# Allegro board SG2042_EVB_V2_0.brd (continued)
## Routing (per net, layer and track width the routed paths; a pad name or vN(x,y) marks a point on that pad's centre or on a via; arc(x,y) is an arc through that point) (continued)
DDR0_ECC_DQ6: length 73.1
  TOP w0.173: U1.AY56 v1(144.75,209.05)
  ART14 w0.15: v1(144.75,209.05) 145.09,208.71 146.89,208.71 147.68,207.92 151.76,207.92 160.34,216.49 160.34,217.88 160.49,218.03 161.57,218.03 161.72,218.18 161.72,218.61 161.57,218.76 160.49,218.76 160.34,218.91 160.34,219.34 160.49,219.49 161.57,219.49 161.72,219.64 161.72,220.06 161.57,220.21 160.49,220.21 160.34,220.36 160.34,220.79 160.49,220.94 161.57,220.94 161.72,221.09 161.72,221.52 161.57,221.67 160.49,221.67 160.34,221.82 160.34,222.25 160.49,222.4 161.57,222.4 161.72,222.55 161.72,222.97 161.57,223.12 160.49,223.12 160.34,223.27 160.34,223.7 160.49,223.85 161.57,223.85 161.72,224 161.72,224.43 161.57,224.58 160.49,224.58 160.34,224.73 160.34,225.16 160.49,225.31 161.57,225.31 161.72,225.46 161.72,225.89 161.57,226.04 160.49,226.04 160.34,226.19 160.34,233.26 166.4,239.32 167.13,239.32 arc(167.65,239.22) 168.08,238.93 168.18,238.84 arc(168.58,238.57) 169.05,238.48 169.08,238.48 arc(169.55,238.57) 169.95,238.84 170.08,238.96 arc(170.48,239.23) 170.95,239.32 170.98,239.32 arc(171.45,239.23) 171.85,238.96 171.92,238.89 arc(172.38,238.58) 172.92,238.48 173.7,238.48 arc(174.24,238.58) 174.7,238.89 174.72,238.91 arc(175.18,239.22) 175.72,239.33 J1.54
DDR0_ECC_DQ7: length 72.7
  TOP w0.173: U1.BA56 v1(144.75,208.05)
  ART14 w0.15: v1(144.75,208.05) 146.58,208.05 147.37,207.26 152.03,207.26 162.41,217.63 162.41,227.12 162.26,227.27 161.15,227.27 161,227.42 161,227.84 161.15,227.99 162.26,227.99 162.41,228.14 162.41,228.57 162.26,228.72 161.15,228.72 161,228.87 161,229.3 161.15,229.45 162.26,229.45 162.41,229.6 162.41,230.03 162.26,230.18 161.15,230.18 161,230.33 161,230.76 161.15,230.91 162.26,230.91 162.41,231.06 162.41,231.48 162.26,231.63 161.15,231.63 161,231.78 161,232.21 161.15,232.36 162.26,232.36 162.41,232.51 162.41,233.37 163.53,234.49 163.53,234.7 163.23,235 163.23,235.22 163.53,235.52 163.74,235.52 164.04,235.22 164.25,235.22 164.55,235.52 164.55,235.73 164.26,236.03 164.26,236.24 164.56,236.55 164.77,236.55 165.07,236.25 165.28,236.25 165.58,236.55 165.58,236.76 165.28,237.06 165.28,237.27 165.64,237.62 167.15,237.62 arc(167.65,237.53) 168.07,237.24 168.18,237.14 arc(168.58,236.87) 169.05,236.77 169.08,236.77 arc(169.55,236.87) 169.95,237.14 170.08,237.26 arc(170.48,237.53) 170.95,237.62 170.98,237.62 arc(171.45,237.53) 171.85,237.26 171.92,237.19 arc(172.38,236.88) 172.92,236.77 173.7,236.77 arc(174.24,236.88) 174.7,237.19 174.72,237.21 arc(175.18,237.52) 175.72,237.62 176.5,237.62 arc(177.04,237.73) 177.5,238.04 177.52,238.06 arc(177.98,238.37) 178.52,238.48 J1.199
DDR0_ECC_DQS_N: length 64.2
  TOP w0.127: U1.AW56 v1(144.75,210.05)
  ART14 w0.122: v1(144.75,210.05) 144.29,210.05 144.17,209.93 144.17,209.78 144.29,209.66 147.19,209.66 147.68,209.16 148.13,209.16 148.15,209.19 148.18,209.19
  ART14 w0.135: 148.18,209.19 151.23,209.19 159.07,217.02 159.07,233.9 166.32,241.15 167.18,241.15 arc(167.7,241.04) 168.14,240.75 168.23,240.66 arc(168.59,240.42) 169.01,240.33 169.11,240.33 arc(169.54,240.42) 169.89,240.66 169.97,240.74 arc(170.43,241.04) 170.96,241.15 170.98,241.15 arc(171.53,241.04) 172,240.73 172.07,240.65 arc(172.45,240.4) 172.9,240.31 173.68,240.31 arc(174.13,240.4) 174.51,240.65 174.59,240.73 arc(175.05,241.04) 175.6,241.15 176.57,241.15 arc(177.12,241.04) 177.58,240.73 177.67,240.64 arc(178.04,240.4) 178.47,240.31 178.5,240.31 arc(178.93,240.4) 179.3,240.64 179.35,240.69 arc(179.86,241.03) 180.45,241.15 181,241.15 arc(181.17,241.14) 181.34,241.12 J1.196
DDR0_ECC_DQS_P: length 64.2
  TOP w0.127: U1.AW55 v1(143.75,210.05)
  ART14 w0.122: v1(143.75,210.05) 143.96,209.84 143.96,209.69 144.2,209.44 147.1,209.44 147.59,208.95 148.13,208.95 148.15,208.92 148.18,208.92
  ART14 w0.135: J1.197 181.05,240.46 arc(181.14,240.58) 181.13,240.73 181.09,240.8 arc(181.02,240.86) 180.92,240.89 180.45,240.89 arc(179.96,240.79) 179.54,240.51 179.48,240.45 arc(179.03,240.15) 178.5,240.05 178.47,240.05 arc(177.94,240.15) 177.49,240.45 177.4,240.54 arc(177.02,240.8) 176.57,240.89 175.6,240.89 arc(175.15,240.8) 174.77,240.54 174.7,240.47 arc(174.23,240.16) 173.68,240.05 172.9,240.05 arc(172.35,240.16) 171.89,240.47 171.81,240.54 arc(171.43,240.8) 170.98,240.89 170.96,240.89 arc(170.53,240.8) 170.16,240.55 170.08,240.47 arc(169.64,240.18) 169.11,240.07 169.01,240.07 arc(168.49,240.18) 168.05,240.47 167.95,240.56 arc(167.6,240.8) 167.18,240.89 166.43,240.89 159.33,233.79 159.33,217.13 159.33,217.13 159.33,216.91 151.34,208.92 148.18,208.92
DDR0_EVENT_N: length 196.8
  TOP w0.102: v1(183.92,213) R1.1 183.43,213.61 182.79,212.97 181.74,212.97 180.89,213.83 J1.78 ; R2386.2 v1(69.44,157.86)
  BOTTOM w0.102: v1(183.92,213) 184.1,212.83 184.1,156.57 183.85,156.32 183.85,155.79 182.97,154.91 155.9,154.91 133.68,177.14 133.51,177.14 104.93,177.14 86.44,158.65 70.23,158.65 v1(69.44,157.86)
DDR0_EVENT_N_L: length 1.7
  TOP w0.102: R597.2 69.54,147.39 U2010.1
DDR0_MA0: length 51.3
  TOP w0.173: U1.BD52 v1(140.75,205.05)
  ART07 w0.135: J1.79 172.93,212.98 arc(172.38,212.87) 171.92,212.56 171.85,212.49 arc(171.45,212.22) 170.98,212.13 170.95,212.13 arc(170.48,212.22) 170.08,212.49 169.95,212.61 arc(169.55,212.88) 169.08,212.97 169.05,212.97 arc(168.58,212.88) 168.18,212.61 168.1,212.54 arc(167.64,212.23) 167.1,212.13 166.42,212.13 165.99,211.69 165.79,211.69 165.23,212.26 165.04,212.26 164.74,211.96 164.74,211.77 165.31,211.2 165.31,211.01 165.01,210.72 164.82,210.72 164.26,211.29 164.07,211.29 163.77,210.99 163.77,210.8 164.34,210.23 164.34,210.04 164.04,209.75 163.85,209.75 163.29,210.32 163.1,210.32 162.8,210.02 162.8,209.83 163.37,209.26 163.37,209.07 163.07,208.78 162.88,208.78 162.32,209.35 162.13,209.35 161.83,209.05 161.83,208.86 162.4,208.29 162.4,208.1 162.1,207.81 161.91,207.81 161.35,208.37 161.16,208.37 160.86,208.08 160.86,207.89 161.43,207.32 161.43,207.13 161.13,206.84 160.94,206.84 160.38,207.4 160.19,207.4 159.89,207.11 159.89,206.92 160.46,206.35 160.46,206.16 159.85,205.55 141.25,205.55 v1(140.75,205.05)
DDR0_MA1: length 52.3
  TOP w0.173: U1.BC51 v1(139.75,206.05)
  ART07 w0.135: v1(139.75,206.05) 140.25,206.55 152.35,206.55 162.85,217.05 163.04,217.05 163.59,216.51 163.78,216.51 164.07,216.8 164.07,216.99 163.52,217.54 163.52,217.73 163.82,218.02 164.01,218.02 164.56,217.48 164.75,217.48 165.04,217.77 165.04,217.96 164.49,218.51 164.49,218.7 164.79,218.99 164.98,218.99 165.53,218.45 165.72,218.45 166.01,218.74 166.01,218.93 165.47,219.48 165.47,219.67 166.42,220.62 167.1,220.62 arc(167.64,220.73) 168.1,221.04 168.18,221.11 arc(168.58,221.38) 169.05,221.48 169.08,221.48 arc(169.55,221.38) 169.95,221.11 170.08,220.99 arc(170.48,220.72) 170.95,220.62 170.98,220.62 arc(171.45,220.72) 171.85,220.99 172.1,221.23 arc(172.36,221.41) 172.68,221.48 172.71,221.48 arc(173.03,221.54) 173.3,221.72 174.82,223.24 arc(175.69,223.82) 176.72,224.02 178.31,224.02 J1.72
DDR0_MA2: length 55.9
  TOP w0.173: U1.BE52 v1(140.75,204.05)
  ART14 w0.15: J1.216 180.42,224.03 arc(179.88,224.13) 179.42,224.44 179.35,224.51 arc(178.95,224.78) 178.48,224.88 178.45,224.88 arc(177.98,224.78) 177.58,224.51 177.5,224.44 arc(177.04,224.13) 176.5,224.02 175.71,224.02 arc(175.18,223.92) 174.73,223.62 174.71,223.6 arc(174.26,223.3) 173.73,223.19 172.9,223.19 arc(172.37,223.3) 171.92,223.6 171.85,223.66 arc(171.45,223.93) 170.98,224.02 170.95,224.02 arc(170.48,223.93) 170.08,223.66 169.95,223.54 arc(169.55,223.27) 169.08,223.18 169.05,223.18 arc(168.58,223.27) 168.18,223.54 168.1,223.61 arc(167.64,223.92) 167.1,224.02 166.39,224.02 165.38,223.01 165.38,216.4 153.27,204.29 145.39,204.29 145.13,204.55 141.25,204.55 v1(140.75,204.05)
DDR0_MA3: length 52.1
  TOP w0.173: U1.BD51 v1(139.75,205.05)
  ART14 w0.15: J1.71 172.92,224.88 arc(172.38,224.98) 171.92,225.29 171.85,225.36 arc(171.45,225.63) 170.98,225.72 170.95,225.72 arc(170.48,225.63) 170.08,225.36 169.95,225.24 arc(169.55,224.97) 169.08,224.88 169.05,224.88 arc(168.58,224.97) 168.18,225.24 168.1,225.31 arc(167.64,225.62) 167.1,225.72 166.39,225.72 164.88,224.22 164.88,216.61 153.06,204.78 145.71,204.78 144.94,205.55 140.25,205.55 v1(139.75,205.05)
DDR0_MA4: length 55
  TOP w0.173: U1.BA51 v1(139.75,208.05)
  ART05 w0.135: J1.214 180.42,225.73 arc(179.88,225.62) 179.42,225.31 179.35,225.24 arc(178.95,224.97) 178.48,224.88 178.45,224.88 arc(177.98,224.97) 177.57,225.24 177.47,225.35 arc(177.05,225.63) 176.55,225.72 176.52,225.72 arc(176.03,225.63) 175.61,225.35 173.79,223.53 arc(173.4,223.27) 172.94,223.18 172.93,223.18 arc(172.38,223.07) 171.92,222.76 171.85,222.69 arc(171.45,222.42) 170.98,222.32 170.95,222.32 arc(170.48,222.42) 170.08,222.69 169.95,222.81 arc(169.55,223.08) 169.08,223.18 169.05,223.18 arc(168.58,223.08) 168.18,222.81 168.1,222.74 arc(167.64,222.43) 167.1,222.32 166.42,222.32 165.48,221.38 165.48,221.19 165.81,220.86 165.81,220.67 165.51,220.38 165.32,220.38 164.99,220.71 164.8,220.71 164.51,220.41 164.51,220.22 164.84,219.89 164.84,219.7 164.54,219.41 164.35,219.41 164.02,219.74 163.83,219.74 163.54,219.44 163.54,219.25 163.87,218.92 163.87,218.73 163.57,218.44 163.38,218.44 163.05,218.77 162.86,218.77 151.64,207.55 140.25,207.55 v1(139.75,208.05)
DDR0_MA5: length 56.2
  TOP w0.173: U1.AY50 v1(138.75,209.05)
  ART05 w0.135: v1(138.75,209.05) 139.25,208.55 150.94,208.55 161.11,218.71 161.3,218.71 161.59,218.42 161.78,218.42 162.07,218.72 162.07,218.91 161.78,219.2 161.78,219.39 162.08,219.68 162.27,219.68 162.56,219.39 162.75,219.39 163.04,219.69 163.04,219.88 162.75,220.17 162.75,220.36 163.05,220.65 163.24,220.65 163.53,220.36 163.72,220.36 164.01,220.66 164.01,220.85 163.72,221.14 163.72,221.33 164.02,221.62 164.21,221.62 164.5,221.33 164.69,221.33 164.98,221.63 164.98,221.82 164.69,222.11 164.69,222.3 164.99,222.59 165.18,222.59 165.47,222.3 165.66,222.3 165.95,222.6 165.95,222.79 165.66,223.08 165.66,223.27 166.42,224.02 167.1,224.02 arc(167.64,224.13) 168.1,224.44 168.18,224.51 arc(168.58,224.78) 169.05,224.88 169.08,224.88 arc(169.55,224.78) 169.95,224.51 170.08,224.39 arc(170.48,224.12) 170.95,224.02 170.98,224.02 arc(171.45,224.12) 171.85,224.39 171.96,224.5 arc(172.38,224.78) 172.87,224.88 172.9,224.88 arc(173.4,224.97) 173.82,225.25 175.61,227.05 arc(176.03,227.33) 176.52,227.42 176.55,227.42 arc(177.05,227.33) 177.47,227.05 177.52,226.99 arc(177.98,226.68) 178.52,226.58 J1.213
DDR0_MA6: length 51.1
  TOP w0.173: v1(145.75,206.05) 145.25,206.55 U1.BC56
  BOTTOM w0.173: J1.69 172.92,226.58 arc(172.38,226.68) 171.93,226.99 171.85,227.07 arc(171.45,227.33) 170.98,227.42 170.95,227.42 arc(170.48,227.33) 170.08,227.07 169.95,226.93 arc(169.55,226.67) 169.08,226.58 169.05,226.58 arc(168.58,226.67) 168.18,226.93 168.1,227.01 arc(167.64,227.32) 167.11,227.42 166.39,227.42 164.81,225.84 164.81,225.05 164.98,224.88 165.54,224.88 165.71,224.71 165.71,224.28 165.54,224.1 164.98,224.1 164.81,223.93 164.81,223.5 164.98,223.33 165.54,223.33 165.71,223.15 165.71,222.72 165.54,222.55 164.98,222.55 164.81,222.38 164.81,216.45 153.74,205.39 146.41,205.39 v1(145.75,206.05)
DDR0_MA7: length 54.9
  TOP w0.173: U1.AY51 v1(139.75,209.05)
  ART07 w0.135: v1(139.75,209.05) 140.25,208.55 150.08,208.55 161.82,220.3 161.82,221.13 163.3,222.61 163.49,222.61 163.94,222.17 164.13,222.17 164.42,222.46 164.42,222.65 163.98,223.1 163.98,223.29 164.27,223.58 164.46,223.58 164.91,223.14 165.1,223.14 165.39,223.43 165.39,223.62 164.95,224.07 164.95,224.26 165.24,224.55 165.43,224.55 165.88,224.11 166.07,224.11 166.36,224.4 166.36,224.59 165.92,225.04 165.92,225.23 166.42,225.72 167.1,225.72 arc(167.64,225.83) 168.1,226.14 168.18,226.21 arc(168.58,226.48) 169.05,226.58 169.08,226.58 arc(169.55,226.48) 169.95,226.21 170.08,226.09 arc(170.48,225.82) 170.95,225.72 170.98,225.72 arc(171.45,225.82) 171.85,226.09 171.92,226.16 arc(172.38,226.47) 172.93,226.58 173.7,226.58 arc(174.24,226.68) 174.7,226.99 174.72,227.01 arc(175.18,227.32) 175.73,227.42 176.5,227.42 arc(177.04,227.53) 177.5,227.84 177.52,227.86 arc(177.98,228.17) 178.52,228.28 J1.211
DDR0_MA8: length 57.1
  TOP w0.173: U1.BC50 v1(138.75,206.05)
  BOTTOM w0.173: J1.68 175.72,227.42 arc(175.18,227.53) 174.73,227.84 174.7,227.86 arc(174.24,228.17) 173.7,228.27 172.92,228.27 arc(172.38,228.38) 171.93,228.69 171.85,228.77 arc(171.45,229.03) 170.98,229.13 170.95,229.13 arc(170.48,229.03) 170.08,228.77 169.95,228.63 arc(169.55,228.37) 169.08,228.27 169.05,228.27 arc(168.58,228.37) 168.18,228.63 168.1,228.71 arc(167.64,229.02) 167.1,229.13 166.39,229.13 164.12,226.85 164.12,216.74 153.46,206.08 146.79,206.08 146.32,206.55 139.25,206.55 v1(138.75,206.05)
DDR0_MA9: length 56.7
  TOP w0.173: U1.AW50 v1(138.75,210.05)
  ART05 w0.135: v1(138.75,210.05) 139.25,209.55 149.38,209.55 160.63,220.8 160.63,221.64 162.25,223.26 162.44,223.26 163.01,222.69 163.2,222.69 163.49,222.98 163.49,223.17 162.92,223.74 162.92,223.93 163.22,224.23 163.41,224.23 163.98,223.66 164.17,223.66 164.46,223.95 164.46,224.14 163.89,224.71 163.89,224.9 164.19,225.2 164.38,225.2 164.95,224.63 165.14,224.63 165.43,224.92 165.43,225.11 164.86,225.68 164.86,225.87 165.16,226.17 165.35,226.17 165.92,225.6 166.11,225.6 166.4,225.89 166.4,226.08 165.83,226.65 165.83,226.84 166.41,227.42 167.1,227.42 arc(167.64,227.53) 168.1,227.84 168.18,227.91 arc(168.58,228.18) 169.05,228.27 169.08,228.27 arc(169.55,228.18) 169.95,227.91 170.08,227.79 arc(170.48,227.52) 170.95,227.42 170.98,227.42 arc(171.45,227.52) 171.85,227.79 171.92,227.86 arc(172.38,228.17) 172.93,228.27 173.7,228.27 arc(174.24,228.38) 174.7,228.69 174.72,228.71 arc(175.18,229.02) 175.73,229.13 J1.66
DDR0_MA10: length 52.7
  TOP w0.173: U1.BE50 v1(138.75,204.05)
  ART05 w0.135: J1.225 178.52,211.28 arc(177.98,211.17) 177.52,210.86 177.5,210.84 arc(177.04,210.53) 176.5,210.43 175.73,210.43 arc(175.18,210.53) 174.72,210.84 174.7,210.86 arc(174.24,211.17) 173.7,211.27 172.93,211.27 arc(172.38,211.17) 171.92,210.86 171.85,210.79 arc(171.45,210.52) 170.98,210.43 170.95,210.43 arc(170.48,210.52) 170.08,210.79 169.95,210.91 arc(169.55,211.18) 169.08,211.27 169.05,211.27 arc(168.58,211.18) 168.18,210.91 168.1,210.84 arc(167.64,210.53) 167.1,210.43 166.41,210.43 165.39,209.41 165.39,209.22 166.05,208.56 166.05,208.37 165.76,208.07 165.56,208.07 164.9,208.73 164.71,208.73 164.42,208.44 164.42,208.25 165.08,207.59 165.08,207.4 164.78,207.1 164.59,207.1 163.93,207.76 163.74,207.76 163.45,207.47 163.45,207.28 164.11,206.62 164.11,206.43 163.81,206.13 163.62,206.13 162.96,206.79 162.77,206.79 160.42,204.44 145.11,204.44 145,204.55 139.25,204.55 v1(138.75,204.05)
DDR0_MA11: length 55
  TOP w0.173: U1.AW52 v1(140.75,210.05)
  ART07 w0.135: v1(140.75,210.05) 141.25,209.55 149.96,209.55 160.91,220.5 160.91,223.62 165.27,227.98 165.46,227.98 165.85,227.59 166.04,227.59 166.34,227.88 166.34,228.07 165.95,228.47 165.95,228.66 166.41,229.13 167.1,229.13 arc(167.64,229.23) 168.1,229.54 168.18,229.61 arc(168.58,229.88) 169.05,229.97 169.08,229.97 arc(169.55,229.88) 169.95,229.61 170.08,229.49 arc(170.48,229.22) 170.95,229.13 170.98,229.13 arc(171.45,229.22) 171.85,229.49 171.92,229.56 arc(172.38,229.87) 172.93,229.97 173.7,229.97 arc(174.24,229.87) 174.7,229.56 174.72,229.54 arc(175.18,229.23) 175.73,229.13 176.5,229.13 arc(177.04,229.23) 177.5,229.54 177.57,229.61 arc(177.98,229.88) 178.45,229.97 178.48,229.97 arc(178.95,229.88) 179.35,229.61 179.42,229.54 arc(179.88,229.23) 180.42,229.13 J1.210
DDR0_MA12: length 57.5
  TOP w0.173: U1.BB50 v1(138.75,207.05)
  BOTTOM w0.173: v1(138.75,207.05) 139.25,207.55 146.37,207.55 147.15,206.77 153.17,206.77 163.43,217.03 163.43,227.86 164.98,229.41 164.98,229.66 164.64,230 164.64,230.24 164.94,230.55 165.18,230.55 165.52,230.21 165.77,230.21 166.39,230.83 167.1,230.83 arc(167.64,230.72) 168.1,230.41 168.18,230.33 arc(168.58,230.07) 169.05,229.97 169.08,229.97 arc(169.55,230.07) 169.95,230.33 170.08,230.47 arc(170.48,230.73) 170.95,230.83 170.98,230.83 arc(171.45,230.73) 171.85,230.47 171.93,230.39 arc(172.38,230.08) 172.92,229.98 J1.65
DDR0_MA13: length 51.3
  TOP w0.173: U1.BG51 v1(139.75,202.05)
  ART05 w0.135: J1.232 180.42,205.33 arc(179.88,205.43) 179.42,205.74 179.35,205.81 arc(178.95,206.08) 178.48,206.18 178.45,206.18 arc(177.98,206.08) 177.57,205.81 177.5,205.74 arc(177.04,205.43) 176.5,205.32 175.73,205.32 arc(175.18,205.43) 174.72,205.74 174.7,205.76 arc(174.24,206.07) 173.7,206.18 172.93,206.18 arc(172.38,206.07) 171.92,205.76 171.85,205.69 arc(171.45,205.42) 170.98,205.32 170.95,205.32 arc(170.48,205.42) 170.08,205.69 169.95,205.81 arc(169.55,206.08) 169.08,206.18 169.05,206.18 arc(168.58,206.08) 168.18,205.81 168.09,205.73 arc(167.65,205.43) 167.12,205.32 166.41,205.32 165.82,204.73 165.63,204.73 165.17,205.19 164.98,205.19 164.69,204.9 164.69,204.7 165.14,204.25 165.14,204.06 164.64,203.55 163.93,203.55 163.79,203.68 163.79,204.21 163.66,204.34 163.24,204.34 163.11,204.21 163.11,203.68 162.97,203.55 162.56,203.55 162.42,203.68 162.42,204.21 162.29,204.34 161.87,204.34 161.74,204.21 161.74,203.68 161.6,203.55 139.54,203.55 139.25,203.26 U1.BG51 v1(139.75,202.05)
DDR0_MA14: length 46.1
  TOP w0.173: U1.BE56 v1(144.75,204.05)
  ART07 w0.135: J1.228 180.42,208.73 arc(179.88,208.83) 179.42,209.14 179.35,209.21 arc(178.95,209.48) 178.48,209.57 178.45,209.57 arc(177.98,209.48) 177.57,209.21 177.5,209.14 arc(177.04,208.83) 176.5,208.73 175.73,208.73 arc(175.18,208.83) 174.72,209.14 174.7,209.16 arc(174.24,209.47) 173.7,209.57 172.93,209.57 arc(172.38,209.47) 171.92,209.16 171.85,209.09 arc(171.45,208.82) 170.98,208.73 170.95,208.73 arc(170.48,208.82) 170.08,209.09 169.95,209.21 arc(169.55,209.48) 169.08,209.57 169.05,209.57 arc(168.58,209.48) 168.18,209.21 168.1,209.14 arc(167.64,208.83) 167.1,208.73 166.42,208.73 165.59,207.89 165.4,207.89 164.92,208.37 164.73,208.37 164.44,208.07 164.44,207.88 164.91,207.41 164.91,207.22 164.62,206.92 164.43,206.92 163.95,207.4 163.76,207.4 163.47,207.1 163.47,206.91 163.94,206.44 163.94,206.25 163.65,205.95 163.46,205.95 162.98,206.43 162.79,206.43 162.49,206.13 162.49,205.94 162.97,205.47 162.97,205.28 161.75,204.05 v1(144.75,204.05)
DDR0_MA15: length 43
  TOP w0.173: U1.BF54 v1(142.75,203.05)
  ART14 w0.15: v1(142.75,203.05) 143.25,202.55 145.07,202.55 145.81,203.3 161.73,203.3 162.23,203.8 162.23,204.02 161.88,204.37 161.88,204.58 162.18,204.88 162.4,204.88 162.75,204.53 162.96,204.53 163.26,204.83 163.26,205.04 162.91,205.4 162.91,205.61 163.21,205.91 163.43,205.91 163.78,205.56 163.99,205.56 164.29,205.86 164.29,206.07 163.94,206.43 163.94,206.64 164.24,206.94 164.45,206.94 164.81,206.59 165.02,206.59 165.46,207.02 167.1,207.02 arc(167.64,207.13) 168.1,207.44 168.18,207.51 arc(168.58,207.78) 169.05,207.87 169.08,207.87 arc(169.55,207.78) 169.95,207.51 170.08,207.39 arc(170.48,207.12) 170.95,207.02 170.98,207.02 arc(171.45,207.12) 171.85,207.39 171.92,207.46 arc(172.38,207.77) 172.92,207.87 173.7,207.87 arc(174.24,207.77) 174.7,207.46 174.72,207.44 arc(175.18,207.13) 175.72,207.02 J1.86
DDR0_MA16: length 44.2
  TOP w0.173: U1.BE53 v1(141.75,204.05)
  ART14 w0.15: v1(141.75,204.05) 142.25,203.55 145.03,203.55 145.27,203.79 159.75,203.79 164.12,208.16 164.12,208.38 163.68,208.81 163.68,209.02 163.99,209.33 164.2,209.33 164.63,208.89 164.85,208.89 165.15,209.19 165.15,209.41 164.71,209.84 164.71,210.05 165.02,210.36 165.23,210.36 165.66,209.92 165.88,209.92 166.38,210.43 167.1,210.43 arc(167.64,210.53) 168.1,210.84 168.18,210.91 arc(168.58,211.18) 169.05,211.27 169.08,211.27 arc(169.55,211.18) 169.95,210.91 170.08,210.79 arc(170.48,210.52) 170.95,210.43 170.98,210.43 arc(171.45,210.52) 171.85,210.79 171.92,210.86 arc(172.38,211.17) 172.92,211.27 173.7,211.27 arc(174.24,211.17) 174.7,210.86 174.72,210.84 arc(175.18,210.53) 175.72,210.43 J1.82
DDR0_MA17: length 54.4
  TOP w0.173: U1.BF50 v1(138.75,203.05)
  BOTTOM w0.173: v1(138.75,203.05) 139.25,202.55 139.25,201.7 139.4,201.55 145.24,201.55 145.54,201.24 161.79,201.24 161.96,201.42 161.96,202.47 162.13,202.64 162.57,202.64 162.74,202.47 162.74,201.42 162.91,201.24 163.34,201.24 163.52,201.42 163.52,202.76 163.69,202.93 164.12,202.93 164.29,202.76 164.29,201.42 164.47,201.24 164.9,201.24 165.07,201.42 165.07,202.76 165.24,202.93 165.68,202.93 165.85,202.76 165.85,202.1 166.02,201.92 167.1,201.92 arc(167.64,202.03) 168.1,202.34 168.18,202.42 arc(168.58,202.68) 169.05,202.78 169.08,202.78 arc(169.55,202.68) 169.95,202.42 170.08,202.28 arc(170.48,202.02) 170.95,201.92 170.98,201.92 arc(171.45,202.02) 171.85,202.28 171.93,202.36 arc(172.38,202.67) 172.92,202.78 173.7,202.78 arc(174.24,202.88) 174.7,203.19 174.73,203.21 arc(175.18,203.52) 175.72,203.62 176.5,203.62 arc(177.04,203.52) 177.5,203.21 177.58,203.13 arc(177.98,202.87) 178.44,202.78 178.48,202.78 arc(178.95,202.87) 179.35,203.13 179.42,203.21 arc(179.88,203.52) 180.42,203.63 J1.234
DDR0_ODT0: length 42.1
  TOP w0.173: U1.BG54 v1(142.75,202.05)
  ART14 w0.15: v1(142.75,202.05) 143.25,201.55 144.96,201.55 146.18,202.77 162.08,202.77 162.8,203.49 163.01,203.49 163.69,202.81 163.9,202.81 164.2,203.12 164.2,203.33 163.53,204.01 163.53,204.22 163.83,204.52 164.04,204.52 164.72,203.84 164.93,203.84 165.23,204.15 165.23,204.36 164.56,205.04 164.56,205.25 164.86,205.55 165.07,205.55 165.75,204.87 165.96,204.87 166.41,205.32 167.1,205.32 arc(167.64,205.43) 168.1,205.74 168.18,205.81 arc(168.58,206.08) 169.05,206.18 169.08,206.18 arc(169.55,206.08) 169.95,205.81 170.08,205.69 arc(170.48,205.42) 170.95,205.32 170.98,205.32 arc(171.45,205.42) 171.85,205.69 171.92,205.76 arc(172.38,206.07) 172.92,206.18 J1.87
DDR0_ODT1: length 44.4
  TOP w0.173: U1.BF53 v1(141.75,203.05)
  ART07 w0.135: J1.91 175.8,203.69 arc(174.93,204.27) 173.9,204.48 172.93,204.48 arc(172.38,204.37) 171.92,204.06 171.85,203.99 arc(171.45,203.72) 170.98,203.62 170.95,203.62 arc(170.48,203.72) 170.08,203.99 169.95,204.11 arc(169.55,204.38) 169.08,204.48 169.05,204.48 arc(168.58,204.38) 168.18,204.11 167.97,203.91 arc(167.58,203.64) 167.11,203.55 166.35,203.55 166.22,203.68 166.22,205.25 166.09,205.38 165.67,205.38 165.53,205.25 165.53,203.68 165.4,203.55 164.98,203.55 164.85,203.68 164.85,204.92 164.71,205.05 164.3,205.05 164.16,204.92 164.16,203.68 164.03,203.55 163.61,203.55 163.48,203.68 163.48,204.16 163.34,204.29 162.93,204.29 162.79,204.16 162.79,203.68 162.66,203.55 142.25,203.55 v1(141.75,203.05)
DDR0_PAR: length 51
  TOP w0.173: U1.BD55 v1(143.75,205.05)
  BOTTOM w0.173: v1(143.75,205.05) 144.25,205.55 145.3,205.55 146.15,204.7 154.03,204.7 159.33,210 159.57,210 160.1,209.47 160.34,209.47 160.65,209.77 160.65,210.02 160.12,210.55 160.12,210.79 160.43,211.09 160.67,211.09 161.2,210.57 161.44,210.57 161.75,210.87 161.75,211.12 161.22,211.64 161.22,211.89 161.53,212.19 161.77,212.19 162.3,211.67 162.54,211.67 162.85,211.97 162.85,212.22 162.32,212.74 162.32,212.99 162.62,213.29 162.87,213.29 163.4,212.77 163.64,212.77 163.95,213.07 163.95,213.32 163.42,213.84 163.42,214.09 163.92,214.59 180.28,214.59 arc(181.27,214.39) J1.222
DDR0_PLL_TESTOUT_N: length 1.4
  TOP w0.127: U1.BA48 v1(136.75,208.05)
  BOTTOM w0.127: T14.1 v1(136.75,208.05)
DDR0_PLL_TESTOUT_P: length 1.4
  TOP w0.127: U1.AY48 v1(136.75,209.05)
  BOTTOM w0.127: T13.1 v1(136.75,209.05)
DDR0_RESET_N: length 67.4
  TOP w0.173: U1.BA52 v1(140.75,208.05) ; J1.58 180.3,235.93 arc(180.84,236.03) 181.3,236.34 181.32,236.36 arc(181.78,236.67) 182.32,236.77 183.26,236.77 arc(183.63,236.85) T9.1
  ART14 w0.15: J1.58 175.72,235.93 arc(175.18,235.82) 174.72,235.51 174.7,235.49 arc(174.24,235.18) 173.7,235.07 172.93,235.07 arc(172.38,235.18) 171.92,235.49 171.85,235.56 arc(171.45,235.83) 170.98,235.93 170.95,235.93 arc(170.48,235.83) 170.08,235.56 169.95,235.44 arc(169.55,235.17) 169.08,235.07 169.05,235.07 arc(168.58,235.17) 168.18,235.44 168.1,235.51 arc(167.64,235.82) 167.1,235.93 166.41,235.93 163.4,232.92 163.4,217.22 152.45,206.27 146.93,206.27 146.15,207.05 145.45,207.05 144.95,207.55 141.25,207.55 v1(140.75,208.05)
DDR0_VDDPLL: length 1
  BOTTOM w0.381: FB14.1 C1450.1
  vias: v1(129.25,218.55)
DDR0_VDDQCK: length 1
  BOTTOM w0.381: FB13.1 C1448.1
  vias: v1(129.25,219.55)
DDR1_ACT_N: length 38.3
  TOP w0.173: U1.H55 v1(143.75,242.05)
  ART03 w0.15: v1(143.75,242.05) 152.83,242.05 158.8,236.08 160.17,236.08 160.37,235.88 160.37,234.77 160.52,234.62 160.95,234.62 161.1,234.77 161.1,235.93 161.25,236.08 161.68,236.08 161.83,235.93 161.83,234.77 161.98,234.62 162.4,234.62 162.55,234.77 162.55,235.93 162.7,236.08 163.13,236.08 163.28,235.93 163.28,234.77 163.43,234.62 163.86,234.62 164.01,234.77 164.01,235.93 164.16,236.08 164.59,236.08 164.74,235.93 164.74,234.77 164.89,234.62 166.01,234.62 166.41,234.23 167.06,234.23 arc(167.64,234.11) 168.14,233.78 168.58,233.34 arc(168.83,232.96) J2.62
DDR1_ALERT_N: length 36.8
  TOP w0.173: J2.208 174.69,230.83 R2242.1 ; U1.J55 v1(143.75,241.05)
  ART03 w0.15: v1(143.75,241.05) 144.25,240.55 145.19,240.55 145.69,241.05 152.39,241.05 162.61,230.83 167.1,230.83 arc(167.64,230.72) 168.1,230.41 168.18,230.34 arc(168.58,230.07) 169.05,229.97 169.08,229.97 arc(169.55,230.07) 169.95,230.34 170.02,230.41 arc(170.48,230.72) 171.02,230.83 J2.208
DDR1_ATB0: length 1.4
  TOP w0.173: U1.R48 v1(136.75,235.05)
  BOTTOM w0.173: T17.1 v1(136.75,235.05)
DDR1_ATB1: length 1.4
  TOP w0.173: U1.P48 v1(136.75,236.05)
  BOTTOM w0.173: T18.1 v1(136.75,236.05)
DDR1_BA0: length 43.2
  TOP w0.173: U1.L53 v1(141.75,239.05)
  ART12 w0.135: v1(141.75,239.05) 142.25,238.55 148.36,238.55 162.83,224.08 162.83,214.84 166.4,211.28 J2.81
DDR1_BA1: length 50
  TOP w0.173: U1.L52 v1(140.75,239.05)
  ART12 w0.135: v1(140.75,239.05) 141.25,239.55 144.24,239.55 144.77,239.02 148.56,239.02 163.3,224.28 163.3,215.23 166.41,212.13 167.17,212.13 arc(167.65,212.22) 168.06,212.49 168.18,212.61 arc(168.58,212.88) 169.05,212.97 169.08,212.97 arc(169.55,212.88) 169.95,212.61 170.02,212.54 arc(170.48,212.23) 171.03,212.13 J2.224
DDR1_BG0: length 42.9
  TOP w0.173: U1.J54 v1(142.75,241.05)
  ART03 w0.15: v1(142.75,241.05) 143.25,241.55 152.59,241.55 160.03,234.11 161.28,234.11 161.43,233.96 161.43,232.71 161.58,232.56 162.01,232.56 162.16,232.71 162.16,233.96 162.31,234.11 162.74,234.11 162.89,233.96 162.89,231.75 163.04,231.6 163.47,231.6 163.62,231.75 163.62,233.96 163.77,234.11 164.19,234.11 164.34,233.96 164.34,231.75 164.49,231.6 164.92,231.6 165.07,231.75 165.07,233.96 165.22,234.11 165.65,234.11 165.8,233.96 165.8,231.83 165.95,231.68 J2.63
DDR1_BG1: length 42.4
  TOP w0.173: J2.207 171.11,231.67 169.12,231.67 arc(168.58,231.78) 168.13,232.09 168.05,232.16 arc(167.65,232.43) 167.17,232.53 166.12,232.53 165.95,232.7 165.95,233.1 165.78,233.27 165.35,233.27 165.17,233.1 165.17,232.7 165,232.53 160.78,232.53 153.19,240.12 152.05,240.12 151.88,240.29 151.88,241.38 151.71,241.55 151.27,241.55 151.1,241.38 151.1,240.29 150.93,240.12 150.5,240.12 150.32,240.29 150.32,241.38 150.15,241.55 149.72,241.55 149.55,241.38 149.55,240.29 149.37,240.12 148.94,240.12 148.77,240.29 148.77,241.38 148.6,241.55 148.16,241.55 147.99,241.38 147.99,240.29 147.82,240.12 147.39,240.12 147.21,240.29 147.21,241.38 147.04,241.55 146.61,241.55 146.44,241.38 146.44,240.29 146.26,240.12 145.83,240.12 145.66,240.29 145.66,241.38 145.49,241.55 U1.H56
DDR1_CAL_0: length 2.4
  TOP w0.173: U1.U48 v1(136.75,233.05)
  BOTTOM w0.173: v1(136.75,233.05) T16.1 137.25,233.55 R2383.1
DDR1_CID0: length 53.7
  TOP w0.173: U1.P50 v1(138.75,236.05)
  ART10 w0.135: J2.93 157.29,211.1 157.29,227.29 149.94,234.64 145.07,234.64 144.99,234.55 139.54,234.55 139.25,234.84 139.25,235.55 v1(138.75,236.05)
DDR1_CID1: length 53.7
  TOP w0.173: U1.R51 v1(139.75,235.05)
  ART12 w0.135: v1(139.75,235.05) 140.25,234.55 149.69,234.55 157.52,226.72 157.52,220.08 166.09,202.33 arc(166.36,202.03) 166.74,201.92 167.1,201.92 arc(167.64,201.82) 168.1,201.51 168.12,201.49 arc(168.58,201.18) 169.13,201.08 J2.237
DDR1_CKE0: length 45.6
  TOP w0.173: J2.60 162.31,234.23 161.26,235.28 161.01,235.28 160.13,234.4 159.89,234.4 159.58,234.7 159.58,234.95 160.46,235.83 160.46,236.08 160.16,236.38 159.91,236.38 159.03,235.5 158.79,235.5 158.48,235.8 158.48,236.05 159.37,236.93 159.37,237.18 159.06,237.48 158.82,237.48 157.93,236.6 157.69,236.6 157.38,236.9 157.38,237.15 158.27,238.03 158.27,238.27 157.96,238.58 157.72,238.58 156.83,237.7 156.59,237.7 156.28,238 156.28,238.25 157.17,239.13 157.17,239.37 156.86,239.68 156.62,239.68 155.73,238.8 155.49,238.8 155.18,239.1 155.18,239.35 156.07,240.23 156.07,240.47 155.76,240.78 155.52,240.78 154.63,239.89 154.39,239.89 154.08,240.2 154.08,240.44 154.97,241.33 154.97,241.57 154.66,241.88 154.42,241.88 153.53,240.99 153.29,240.99 152.04,242.24 144.56,242.24 U1.G56
DDR1_CKE1: length 42.6
  TOP w0.173: U1.F54 v1(141.75,244.05)
  ART03 w0.15: J2.203 169.12,235.08 arc(168.58,235.18) 168.12,235.49 168.07,235.54 arc(167.65,235.83) 167.15,235.93 166.41,235.93 165.76,236.58 160.45,236.58 159.78,237.24 159.57,237.24 159.06,236.73 158.85,236.73 158.54,237.04 158.54,237.25 159.06,237.76 159.06,237.97 158.75,238.27 158.54,238.27 158.03,237.76 157.82,237.76 157.51,238.07 157.51,238.28 158.03,238.79 158.03,239 157.72,239.3 157.51,239.3 157,238.79 156.79,238.79 156.49,239.09 156.49,239.31 157,239.82 157,240.03 156.69,240.33 156.48,240.33 155.97,239.82 155.76,239.82 155.46,240.12 155.46,240.34 155.97,240.85 155.97,241.06 155.66,241.36 155.45,241.36 154.94,240.85 154.73,240.85 154.43,241.15 154.43,241.36 154.94,241.88 154.94,242.09 154.48,242.55 142.54,242.55 142.25,242.84 U1.F54 v1(141.75,244.05)
DDR1_CLK0_N: length 44
  TOP w0.127: U1.J52 v1(140.75,241.05)
  ART12 w0.112: v1(140.75,241.05) 140.35,241.05 140.24,241.17 140.24,241.33 140.34,241.44 145.6,241.44 145.61,241.43 145.64,241.43
  ART12 w0.117: 145.64,241.43 149.28,241.43 160.53,230.18 160.9,230.18 161.33,230.62 161.5,230.62 161.93,230.19 161.93,230.02 161.49,229.59 161.49,229.22 162.06,228.65 162.43,228.65 162.87,229.08 163.03,229.08 163.46,228.65 163.46,228.49 163.03,228.05 163.03,227.69 163.6,227.11 163.97,227.11 164.4,227.55 164.57,227.55 165,227.12 165,226.95 164.56,226.52 164.56,226.15 165.29,225.42 165.29,223.24 166.33,222.2 167.69,222.2 arc(167.83,222.16) 167.92,222.06 167.92,222.06 arc(167.94,221.88) 167.83,221.75 J2.75
DDR1_CLK0_P: length 44.1
  TOP w0.127: U1.J51 v1(139.75,241.05)
  ART12 w0.112: v1(139.75,241.05) 140.01,241.31 140.01,241.43 140.25,241.66 145.6,241.66 145.61,241.67 145.64,241.67
  ART12 w0.117: J2.74 168.11,222.43 arc(167.96,222.44) 167.81,222.45 166.43,222.45 165.53,223.34 165.53,225.52 164.8,226.25 164.8,226.42 165.24,226.85 165.24,227.22 164.67,227.79 164.3,227.79 163.86,227.36 163.7,227.36 163.27,227.79 163.27,227.95 163.71,228.39 163.71,228.75 163.13,229.33 162.76,229.33 162.33,228.89 162.16,228.89 161.73,229.32 161.73,229.49 162.17,229.92 162.17,230.29 161.6,230.86 161.23,230.86 160.79,230.43 160.63,230.43 149.38,241.67 145.64,241.67
DDR1_CLK1_N: length 45
  TOP w0.127: U1.K51 v1(139.75,240.05)
  ART12 w0.112: v1(139.75,240.05) 139.35,240.05 139.24,240.16 139.24,240.33 139.34,240.44 144.39,240.44 144.56,240.26 145.6,240.26 145.61,240.25 145.64,240.25
  ART12 w0.117: J2.219 171.63,221.75 arc(171.74,221.88) 171.73,222.05 arc(171.62,222.16) 171.48,222.2 170.98,222.2 arc(170.53,222.11) 170.14,221.85 170.01,221.72 arc(169.6,221.45) 169.12,221.35 169.01,221.35 arc(168.62,221.28) 168.29,221.06 168.09,220.86 arc(167.7,220.59) 167.24,220.5 166.32,220.5 164.11,222.71 164.11,224.94 148.8,240.25 145.64,240.25
DDR1_CLK1_P: length 45.1
  TOP w0.127: U1.K50 v1(138.75,240.05)
  ART12 w0.112: 145.64,240.5 145.61,240.5 145.6,240.49 144.66,240.49 144.48,240.66 139.25,240.66 139.02,240.43 139.02,240.32 v1(138.75,240.05)
  ART12 w0.117: J2.218 171.91,222.43 arc(171.76,222.44) 171.61,222.45 170.98,222.45 arc(170.43,222.34) 169.97,222.03 169.83,221.89 arc(169.51,221.67) 169.12,221.6 169.01,221.6 arc(168.53,221.5) 168.12,221.23 167.92,221.03 arc(167.61,220.82) 167.24,220.75 166.43,220.75 164.36,222.81 164.36,225.04 148.9,240.5 145.64,240.5
DDR1_CS_N0: length 45.7
  TOP w0.173: U1.N53 v1(141.75,237.05)
  ART12 w0.135: J2.84 166.41,208.73 161.89,213.25 161.89,223.69 149.03,236.55 142.25,236.55 v1(141.75,237.05)
DDR1_CS_N1: length 47.2
  TOP w0.173: U1.P53 v1(141.75,236.05)
  ART10 w0.135: v1(141.75,236.05) 142.25,235.55 149.7,235.55 157.77,227.48 157.77,214.02 J2.89
DDR1_DM0_N: length 61.6
  TOP w0.109: 132.62,250.38 132.62,250.36 132.64,250.34 132.64,247.97 133.06,247.55 U1.B45
  TOP w0.127: 132.62,250.38 132.62,253.5 141.08,261.95 142.41,261.95 143.25,262.79 143.25,262.97 142.88,263.34 142.88,263.73 143.46,264.31 143.85,264.31 144.22,263.95 144.4,263.95 144.83,264.38 144.83,264.56 144.46,264.92 144.46,265.31 145.04,265.9 145.43,265.9 145.8,265.53 145.98,265.53 146.41,265.96 146.41,266.14 146.04,266.51 146.04,266.9 146.62,267.48 147.01,267.48 147.38,267.11 147.56,267.11 147.99,267.54 147.99,267.72 147.63,268.09 147.63,268.48 148.21,269.06 148.6,269.06 148.97,268.69 149.14,268.69 149.58,269.12 149.58,269.3 149.21,269.67 149.21,270.06 149.79,270.64 150.18,270.64 150.55,270.27 150.73,270.27 160.25,279.79 165.84,279.79 166.3,280.25 167.26,280.25 arc(167.71,280.16) 168.08,279.91 168.42,279.57 arc(168.55,279.42) 168.63,279.24 J2.8
DDR1_DM0_P: length 61.5
  TOP w0.109: 132.88,250.38 132.88,250.36 132.86,250.34 132.86,250.13 132.99,250 132.99,249.76 132.86,249.63 132.86,249.39 132.99,249.26 132.99,249.02 132.86,248.89 132.86,248.05 132.98,247.93 133.14,247.93 133.25,248.04 U1.A45
  TOP w0.127: J2.7 167.94,278.94 arc(168.12,278.93) 168.25,279.04 168.29,279.11 arc(168.31,279.25) 168.25,279.39 167.94,279.7 arc(167.6,279.92) 167.21,280 166.41,280 165.95,279.54 160.35,279.54 150.83,270.02 150.44,270.02 150.07,270.39 149.89,270.39 149.46,269.95 149.46,269.78 149.83,269.41 149.83,269.02 149.25,268.44 148.86,268.44 148.49,268.81 148.31,268.81 147.88,268.37 147.88,268.19 148.25,267.83 148.25,267.43 147.67,266.85 147.28,266.85 146.91,267.22 146.73,267.22 146.3,266.79 146.3,266.61 146.67,266.24 146.67,265.85 146.09,265.27 145.7,265.27 145.33,265.64 145.15,265.64 144.72,265.21 144.72,265.03 145.08,264.66 145.08,264.27 144.5,263.69 144.11,263.69 143.75,264.06 143.57,264.06 143.13,263.63 143.13,263.45 143.5,263.08 143.5,262.69 142.51,261.7 141.18,261.7 132.88,253.39 132.88,250.38
DDR1_DM1_N: length 55.2
  TOP w0.109: 138.4,250.68 138.38,250.66 138.35,250.66 137.86,250.17 137.86,249.75 arc(137.9,249.65) 138,249.61 arc(138.1,249.57) 138.14,249.47 138.14,249.32 arc(138.1,249.22) 138,249.17 arc(137.9,249.13) 137.86,249.03 137.86,248.05 137.98,247.93 138.14,247.93 138.25,248.04 U1.A50
  TOP w0.127: J2.19 167.84,269.36 arc(167.9,269.4) 167.93,269.47 arc(167.94,269.57) 167.92,269.66 167.9,269.69 arc(167.83,269.77) 167.72,269.8 166.35,269.8 165.84,269.29 165.45,269.29 164.62,270.12 164.44,270.12 164,269.69 164,269.51 164.84,268.67 164.84,268.28 164.26,267.7 163.87,267.7 163.03,268.54 162.85,268.54 162.42,268.11 162.42,267.93 163.26,267.09 163.26,266.7 162.68,266.12 162.29,266.12 161.45,266.96 161.27,266.96 160.84,266.53 160.84,266.35 161.68,265.51 161.68,265.12 161.14,264.58 161.14,263.86 161.92,263.08 161.92,258.9 158.9,255.88 143.6,255.88 138.4,250.68
DDR1_DM1_P: length 55.1
  TOP w0.109: 138.22,250.86 138.14,250.78 138.14,250.75 137.64,250.26 137.64,247.97 138.06,247.55 U1.B50
  TOP w0.127: 138.22,250.86 143.49,256.13 158.79,256.13 161.67,259.01 161.67,262.97 160.88,263.75 160.88,264.69 161.42,265.23 161.42,265.41 160.59,266.24 160.59,266.63 161.17,267.21 161.56,267.21 162.39,266.38 162.57,266.38 163,266.81 163,266.99 162.17,267.82 162.17,268.21 162.75,268.79 163.14,268.79 163.97,267.96 164.15,267.96 164.59,268.39 164.59,268.57 163.75,269.4 163.75,269.79 164.33,270.38 164.72,270.38 165.56,269.54 165.74,269.54 166.25,270.05 167.8,270.05 arc(167.97,270.05) 168.14,270.03 J2.18
DDR1_DM2_N: length 57.4
  TOP w0.127: U1.G44 v1(131.75,243.05)
  ART10 w0.112: v1(131.75,243.05) 131.75,242.75 131.86,242.63 132.02,242.63 132.14,242.75 132.14,248.1 132.67,248.64 132.67,250.12 133.35,250.8 133.35,250.82 133.37,250.84
  ART10 w0.117: 133.37,250.84 137.82,255.29 160.05,255.29 163.21,258.45 163.21,258.62 162.53,259.3 162.53,259.66 163.11,260.24 163.47,260.24 164.15,259.56 164.32,259.56 164.75,259.99 164.75,260.15 163.39,261.5 163.39,261.87 163.97,262.44 164.34,262.44 165.69,261.09 165.85,261.09 166.31,261.55 167.21,261.55 arc(167.7,261.45) 168.12,261.17 168.44,260.84 arc(168.54,260.72) 168.61,260.58 J2.30
DDR1_DM2_P: length 57.4
  TOP w0.127: U1.H44 v1(131.75,242.05)
  ART10 w0.112: v1(131.75,242.05) 131.75,242.3 131.86,242.41 132.11,242.41 132.36,242.66 132.36,248.01 132.89,248.54 132.89,250.03 133.51,250.64 133.53,250.64 133.54,250.66
  ART10 w0.117: J2.29 167.92,260.25 arc(168.11,260.24) 168.26,260.36 168.29,260.41 arc(168.32,260.56) 168.25,260.69 167.94,261 arc(167.61,261.22) 167.21,261.3 166.41,261.3 165.95,260.85 165.59,260.85 164.23,262.2 164.07,262.2 163.64,261.77 163.64,261.6 164.99,260.25 164.99,259.89 164.42,259.31 164.05,259.31 163.37,259.99 163.21,259.99 162.78,259.56 162.78,259.4 163.46,258.72 163.46,258.35 160.15,255.04 137.92,255.04 133.54,250.66
DDR1_DM3_N: length 46.3
  TOP w0.127: U1.H49 v1(137.75,242.05)
  ART10 w0.112: 145.41,247.93 145.38,247.93 145.37,247.94 144.01,247.94 143.51,247.44 139.42,247.44 138.36,246.38 138.36,242.7 138.11,242.45 137.86,242.45 137.75,242.34 v1(137.75,242.05)
  ART10 w0.117: 145.41,247.93 145.94,247.93 146.26,247.6 147.29,247.6 147.55,247.86 147.55,248.77 147.66,248.89 148.27,248.89 148.39,248.77 148.39,247.86 148.65,247.6 149.46,247.6 149.71,247.86 149.71,248.77 149.83,248.89 150.44,248.89 150.56,248.77 150.56,247.86 150.82,247.6 151.62,247.6 151.88,247.86 151.88,248.77 152,248.89 152.61,248.89 152.72,248.77 152.72,247.86 152.98,247.6 162.92,247.6 164.89,249.57 164.89,249.94 164.4,250.43 164.4,250.6 164.83,251.03 164.99,251.03 165.48,250.54 165.85,250.54 166.42,251.1 167.68,251.1 arc(167.82,251.06) 167.92,250.96 167.92,250.95 arc(167.94,250.78) 167.83,250.65 J2.41
DDR1_DM3_P: length 46.3
  TOP w0.127: U1.G49 v1(137.75,243.05)
  ART10 w0.112: v1(137.75,243.05) 137.75,242.79 137.86,242.68 138.02,242.68 138.14,242.79 138.14,246.47 139.33,247.66 143.42,247.66 143.92,248.16 145.37,248.16 145.38,248.17 145.41,248.17
  ART10 w0.117: J2.40 168.11,251.33 arc(167.96,251.34) 167.81,251.35 166.32,251.35 165.75,250.78 165.59,250.78 165.1,251.27 164.73,251.27 164.16,250.7 164.16,250.33 164.65,249.84 164.65,249.67 162.82,247.85 153.09,247.85 152.97,247.96 152.97,248.87 152.71,249.13 151.9,249.13 151.64,248.87 151.64,247.96 151.52,247.85 150.92,247.85 150.8,247.96 150.8,248.87 150.54,249.13 149.73,249.13 149.47,248.87 149.47,247.96 149.35,247.85 148.75,247.85 148.63,247.96 148.63,248.87 148.37,249.13 147.56,249.13 147.3,248.87 147.3,247.96 147.18,247.85 146.36,247.85 146.04,248.17 145.41,248.17
DDR1_DM4_N: length 62.4
  TOP w0.109: U1.U54 141.78,232.55 141.67,232.44 141.67,232.27 141.78,232.16 144.6,232.16 145.02,232.57 145.95,232.57 145.97,232.59 146,232.59
  TOP w0.127: J2.100 168.63,195.94 arc(168.55,196.12) 168.43,196.27 168.05,196.64 arc(167.71,196.87) 167.3,196.95 166.57,196.95 162.97,200.56 162.97,200.73 163.52,201.29 163.52,201.68 162.94,202.26 162.55,202.26 162,201.71 161.82,201.71 161.39,202.14 161.39,202.32 161.94,202.87 161.94,203.26 161.36,203.84 160.97,203.84 160.42,203.29 160.24,203.29 159.81,203.72 159.81,203.9 160.36,204.45 160.36,204.84 159.78,205.42 159.39,205.42 158.84,204.87 158.66,204.87 158.23,205.3 158.23,205.48 158.78,206.03 158.78,206.42 158.2,207 157.81,207 157.25,206.45 157.07,206.45 156.37,207.16 156.37,225.53 149.3,232.59 146,232.59
DDR1_DM4_P: length 62.3
  TOP w0.109: U1.U53 141.25,232.39 141.69,231.94 144.69,231.94 145.1,232.36 145.95,232.36 145.97,232.34 146,232.34
  TOP w0.127: J2.99 167.93,195.65 arc(168.11,195.63) 168.26,195.75 168.28,195.8 arc(168.31,195.95) 168.24,196.09 167.87,196.46 arc(167.61,196.64) 167.3,196.7 166.47,196.7 162.72,200.45 162.72,200.84 163.27,201.39 163.27,201.57 162.84,202 162.66,202 162.11,201.45 161.72,201.45 161.14,202.03 161.14,202.42 161.69,202.97 161.69,203.15 161.25,203.59 161.08,203.59 160.52,203.03 160.13,203.03 159.55,203.61 159.55,204 160.1,204.56 160.1,204.73 159.67,205.17 159.49,205.17 158.94,204.62 158.55,204.62 157.97,205.2 157.97,205.59 158.52,206.14 158.52,206.32 158.09,206.75 157.91,206.75 157.36,206.2 156.97,206.2 156.11,207.05 156.11,225.42 149.2,232.34 146,232.34
DDR1_DM5_N: length 64.7
  TOP w0.109: U1.AB53 141.25,227.46 141.77,226.94 145.42,226.94 145.96,226.41 146.46,226.41 146.99,225.88 146.99,225.85 147.01,225.83
  TOP w0.127: J2.111 167.84,186.05 arc(167.94,186.18) 167.92,186.34 167.91,186.37 arc(167.82,186.46) 167.69,186.5 162.26,186.5 161.49,187.28 161.49,187.67 162.06,188.24 162.06,188.41 161.62,188.85 161.44,188.85 160.87,188.28 160.48,188.28 159.9,188.86 159.9,189.25 160.47,189.82 160.47,190 160.04,190.43 159.86,190.43 159.29,189.86 158.9,189.86 158.32,190.44 158.32,190.83 158.89,191.4 158.89,191.58 158.46,192.01 158.28,192.01 157.71,191.44 157.32,191.44 149.96,198.8 149.96,222.88 147.01,225.83
DDR1_DM5_P: length 64.6
  TOP w0.109: 147.19,226.01 147.17,226.03 147.14,226.03 146.55,226.62 146.05,226.62 145.51,227.16 141.85,227.16 141.74,227.26 141.74,227.44 141.85,227.55 U1.AB54
  TOP w0.127: 147.19,226.01 150.22,222.98 150.22,198.91 157.43,191.7 157.6,191.7 158.17,192.27 158.56,192.27 159.15,191.68 159.15,191.29 158.58,190.73 158.58,190.55 159.01,190.11 159.19,190.11 159.76,190.68 160.15,190.68 160.73,190.1 160.73,189.71 160.16,189.14 160.16,188.96 160.59,188.53 160.77,188.53 161.34,189.1 161.73,189.1 162.31,188.52 162.31,188.13 161.74,187.56 161.74,187.38 162.37,186.75 167.8,186.75 arc(167.96,186.75) 168.13,186.73 J2.110
DDR1_DM6_N: length 85.4
  TOP w0.127: U1.V51 v1(139.75,232.05)
  ART10 w0.112: 145.78,232.09 145.75,232.09 145.74,232.08 143.48,232.08 142.9,232.66 140.3,232.66 139.75,232.12 v1(139.75,232.05)
  ART10 w0.117: J2.122 168.63,177.23 arc(168.54,177.42) 168.41,177.58 168.12,177.87 arc(167.7,178.15) 167.2,178.25 166.49,178.25 164.11,180.62 164.11,185.09 162.8,186.4 162.8,186.56 163.45,187.21 163.45,187.58 162.88,188.15 162.51,188.15 161.86,187.5 161.7,187.5 161.27,187.93 161.27,188.1 161.92,188.74 161.92,189.11 161.34,189.68 160.98,189.68 160.33,189.04 160.16,189.04 159.73,189.47 159.73,189.63 160.38,190.28 160.38,190.65 159.81,191.22 159.44,191.22 158.79,190.57 158.63,190.57 158.2,191 158.2,191.17 158.85,191.81 158.85,192.18 158.27,192.75 157.91,192.75 157.26,192.11 157.09,192.11 156.66,192.54 156.66,192.7 157.31,193.35 157.31,193.72 156.74,194.29 156.37,194.29 155.72,193.64 155.56,193.64 154.89,194.31 154.89,225.75 148.55,232.09 145.78,232.09
DDR1_DM6_P: length 85.3
  TOP w0.127: U1.V52 v1(140.75,232.05)
  ART10 w0.112: 145.78,231.85 145.75,231.85 145.74,231.86 143.39,231.86 142.81,232.44 140.39,232.44 140.28,232.33 140.28,232.16 140.39,232.05 v1(140.75,232.05)
  ART10 w0.117: J2.121 167.94,176.94 arc(168.1,176.93) 168.23,177.03 168.28,177.13 arc(168.31,177.27) 168.24,177.4 167.95,177.7 arc(167.61,177.92) 167.2,178 166.39,178 163.87,180.52 163.87,184.99 162.56,186.3 162.56,186.66 163.21,187.31 163.21,187.48 162.78,187.91 162.61,187.91 161.97,187.26 161.6,187.26 161.03,187.83 161.03,188.2 161.67,188.85 161.67,189.01 161.24,189.44 161.08,189.44 160.43,188.79 160.06,188.79 159.49,189.37 159.49,189.73 160.14,190.38 160.14,190.55 159.71,190.98 159.54,190.98 158.9,190.33 158.53,190.33 157.96,190.9 157.96,191.27 158.6,191.92 158.6,192.08 158.17,192.51 158.01,192.51 157.36,191.86 156.99,191.86 156.42,192.44 156.42,192.8 157.07,193.45 157.07,193.62 156.64,194.05 156.47,194.05 155.83,193.4 155.46,193.4 154.65,194.21 154.65,225.65 148.45,231.85 145.78,231.85
DDR1_DM7_N: length 93
  TOP w0.127: U1.AC52 v1(140.75,226.05)
  ART10 w0.112: v1(140.75,226.05) 140.38,226.05 140.27,226.16 140.27,226.32 140.39,226.44 144.23,226.44 144.24,226.43 144.27,226.43
  ART10 w0.117: 144.27,226.43 146,226.43 149.09,223.34 149.09,179.98 154.99,174.08 155.36,174.08 156.13,174.86 156.29,174.86 156.72,174.43 156.72,174.26 155.95,173.49 155.95,173.12 156.52,172.55 156.89,172.55 157.94,173.6 158.11,173.6 158.54,173.17 158.54,173.01 157.49,171.95 157.49,171.59 158.06,171.01 158.42,171.01 159.48,172.07 159.64,172.07 160.07,171.64 160.07,171.47 159.02,170.42 159.02,170.05 159.59,169.48 159.96,169.48 161.01,170.53 161.18,170.53 161.61,170.1 161.61,169.94 160.56,168.88 160.56,168.52 161.13,167.94 161.49,167.94 162.55,169 162.71,169 163.91,167.8 167.69,167.8 arc(167.83,167.77) 167.92,167.66 167.92,167.66 arc(167.94,167.48) 167.83,167.35 J2.133
DDR1_DM7_P: length 93.1
  TOP w0.127: U1.AC51 v1(139.75,226.05)
  ART10 w0.112: 144.27,226.67 144.24,226.67 144.23,226.66 140.3,226.66 139.75,226.12 v1(139.75,226.05)
  ART10 w0.117: J2.132 168.11,168.03 arc(167.96,168.04) 167.81,168.05 164.01,168.05 162.81,169.24 162.45,169.24 161.39,168.19 161.23,168.19 160.8,168.62 160.8,168.78 161.85,169.84 161.85,170.2 161.28,170.78 160.91,170.78 159.86,169.72 159.69,169.72 159.26,170.15 159.26,170.32 160.32,171.37 160.32,171.74 159.74,172.31 159.38,172.31 158.32,171.26 158.16,171.26 157.73,171.69 157.73,171.85 158.78,172.9 158.78,173.27 158.21,173.85 157.84,173.85 156.79,172.79 156.62,172.79 156.19,173.22 156.19,173.39 156.97,174.16 156.97,174.53 156.39,175.1 156.03,175.1 155.25,174.33 155.09,174.33 149.33,180.08 149.33,223.44 146.11,226.67 144.27,226.67
DDR1_DQ0: length 58.9
  TOP w0.173: U1.D47 v1(134.75,246.05)
  ART03 w0.15: J2.5 166.02,280.98 165.87,281.12 165.87,282.63 165.72,282.78 165.29,282.78 165.14,282.63 165.14,281.12 164.99,280.98 164.57,280.98 164.42,281.12 164.42,282.63 164.27,282.78 163.84,282.78 163.69,282.63 163.69,281.12 163.54,280.98 162.62,280.98 134.11,252.46 134.11,246.7 v1(134.75,246.05)
DDR1_DQ1: length 57
  TOP w0.173: U1.B47 v1(134.75,248.05)
  ART03 w0.15: v1(134.75,248.05) 134.75,252.17 162.71,280.12 163.52,280.12 163.67,279.98 163.67,279.58 163.82,279.43 164.25,279.43 164.4,279.58 164.4,279.98 164.55,280.12 164.98,280.12 165.13,279.98 165.13,279.58 165.28,279.43 165.71,279.43 165.86,279.58 165.86,279.98 166.01,280.12 167.21,280.12 arc(167.65,280.21) 168.03,280.46 168.18,280.61 arc(168.58,280.88) 169.05,280.98 169.08,280.98 arc(169.55,280.88) 169.95,280.61 170.02,280.54 arc(170.48,280.23) 171.03,280.12 172.71,280.12 J2.150
DDR1_DQ2: length 62.2
  TOP w0.173: U1.A46 134.61,248.91 134.61,252.15 142.06,259.59 143.39,259.59 157.36,273.57 157.61,273.57 158.15,273.02 158.39,273.02 158.7,273.33 158.7,273.57 158.16,274.12 158.16,274.36 158.46,274.67 158.71,274.67 159.25,274.12 159.49,274.12 159.8,274.43 159.8,274.67 159.26,275.22 159.26,275.46 159.56,275.77 159.81,275.77 160.35,275.22 160.59,275.22 160.9,275.53 160.9,275.77 160.36,276.32 160.36,276.56 161.12,277.33 162.08,277.33 162.25,277.15 162.25,275.98 162.43,275.8 162.86,275.8 163.03,275.98 163.03,277.15 163.2,277.33 163.64,277.33 163.81,277.15 163.81,275.98 163.98,275.8 164.41,275.8 164.59,275.98 164.59,277.15 164.76,277.33 165.19,277.33 165.36,277.15 165.36,275.98 165.54,275.8 165.97,275.8 166.14,275.98 166.14,276.55 166.31,276.72 167.13,276.72 arc(167.65,276.62) 168.08,276.33 168.58,275.84 arc(168.83,275.46) J2.12
DDR1_DQ3: length 62.3
  TOP w0.173: J2.157 171.11,274.17 169.12,274.17 arc(168.58,274.28) 168.13,274.59 168.09,274.63 arc(167.65,274.92) 167.12,275.03 161.51,275.03 158.08,271.59 157.84,271.59 157.28,272.15 157.04,272.15 156.74,271.84 156.74,271.6 157.29,271.04 157.29,270.8 156.98,270.49 156.74,270.49 156.19,271.05 155.94,271.05 155.64,270.74 155.64,270.5 156.19,269.94 156.19,269.7 155.88,269.39 155.64,269.39 155.09,269.95 154.84,269.95 154.54,269.64 154.54,269.4 155.09,268.85 155.09,268.6 154.78,268.3 154.54,268.3 153.99,268.85 153.74,268.85 153.44,268.54 153.44,268.3 153.99,267.75 153.99,267.5 153.68,267.2 153.44,267.2 152.89,267.75 152.64,267.75 152.34,267.44 152.34,267.2 152.89,266.65 152.89,266.4 152.58,266.1 152.34,266.1 151.79,266.65 151.54,266.65 151.24,266.34 151.24,266.1 151.79,265.55 151.79,265.3 151.49,265 151.24,265 150.69,265.55 150.44,265.55 150.14,265.24 150.14,265 150.69,264.45 150.69,264.2 150.39,263.9 150.14,263.9 149.59,264.45 149.35,264.45 143.71,258.82 142.38,258.82 135.25,251.69 U1.A47
DDR1_DQ4: length 69.7
  TOP w0.173: J2.3 165.94,282.68 165.77,282.85 165.77,283.52 165.6,283.69 165.17,283.69 164.99,283.52 164.99,281.61 164.82,281.44 164.39,281.44 164.22,281.61 164.22,283.52 164.04,283.69 163.61,283.69 163.44,283.52 163.44,281.61 163.27,281.44 162.84,281.44 162.66,281.61 162.66,283.52 162.49,283.69 162.06,283.69 161.89,283.52 161.89,281.61 161.71,281.44 161.28,281.44 161.11,281.61 161.11,283.52 160.94,283.69 160.5,283.69 160.33,283.52 160.33,281.61 160.16,281.44 158.23,281.44 130.75,253.95 130.75,248.05 U1.B43
DDR1_DQ5: length 69.5
  TOP w0.173: U1.B44 131.75,248.05 131.75,253.86 150.15,272.26 150.4,272.26 150.82,271.84 151.06,271.84 151.37,272.14 151.37,272.39 150.98,272.77 150.98,273.01 151.29,273.32 151.53,273.32 151.92,272.94 152.16,272.94 152.47,273.24 152.47,273.49 152.08,273.87 152.08,274.11 152.39,274.42 152.63,274.42 153.01,274.03 153.26,274.03 153.56,274.34 153.56,274.58 153.18,274.97 153.18,275.21 153.49,275.52 153.73,275.52 154.11,275.13 154.36,275.13 154.66,275.44 154.66,275.68 154.28,276.07 154.28,276.31 154.59,276.62 154.83,276.62 155.21,276.23 155.46,276.23 155.76,276.54 155.76,276.78 155.38,277.17 155.38,277.41 155.69,277.71 155.93,277.71 156.31,277.33 156.56,277.33 156.86,277.64 156.86,277.88 156.48,278.26 156.48,278.51 156.79,278.81 157.03,278.81 157.41,278.43 157.66,278.43 157.96,278.74 157.96,278.98 157.58,279.36 157.58,279.61 157.88,279.91 158.13,279.91 158.51,279.53 158.76,279.53 159.88,280.66 165.22,280.66 166.38,281.82 167.39,281.82 arc(167.67,281.77) 167.9,281.61 168.18,281.33 arc(168.58,281.07) 169.05,280.98 169.08,280.98 arc(169.55,281.07) 169.95,281.33 170.03,281.41 arc(170.48,281.72) 171.02,281.83 J2.148
DDR1_DQ6: length 64.6
  TOP w0.173: U1.C43 v1(131.75,247.05)
  ART03 w0.15: v1(131.75,247.05) 132.25,246.55 133.25,246.55 134.19,245.61 135.02,245.61 135.25,245.84 135.25,247.83 135.71,248.29 135.71,251.78 160.5,276.57 162.46,276.57 162.61,276.72 162.61,278.31 162.76,278.46 163.19,278.46 163.34,278.31 163.34,276.72 163.49,276.57 163.92,276.57 164.07,276.72 164.07,278.31 164.22,278.46 164.64,278.46 164.79,278.31 164.79,276.72 164.94,276.57 165.37,276.57 165.52,276.72 165.52,278.31 165.67,278.46 166.1,278.46 166.25,278.31 166.25,276.87 166.4,276.73 J2.10
